# KiCad board reform2-keyboard3.kicad_pcb (continued)
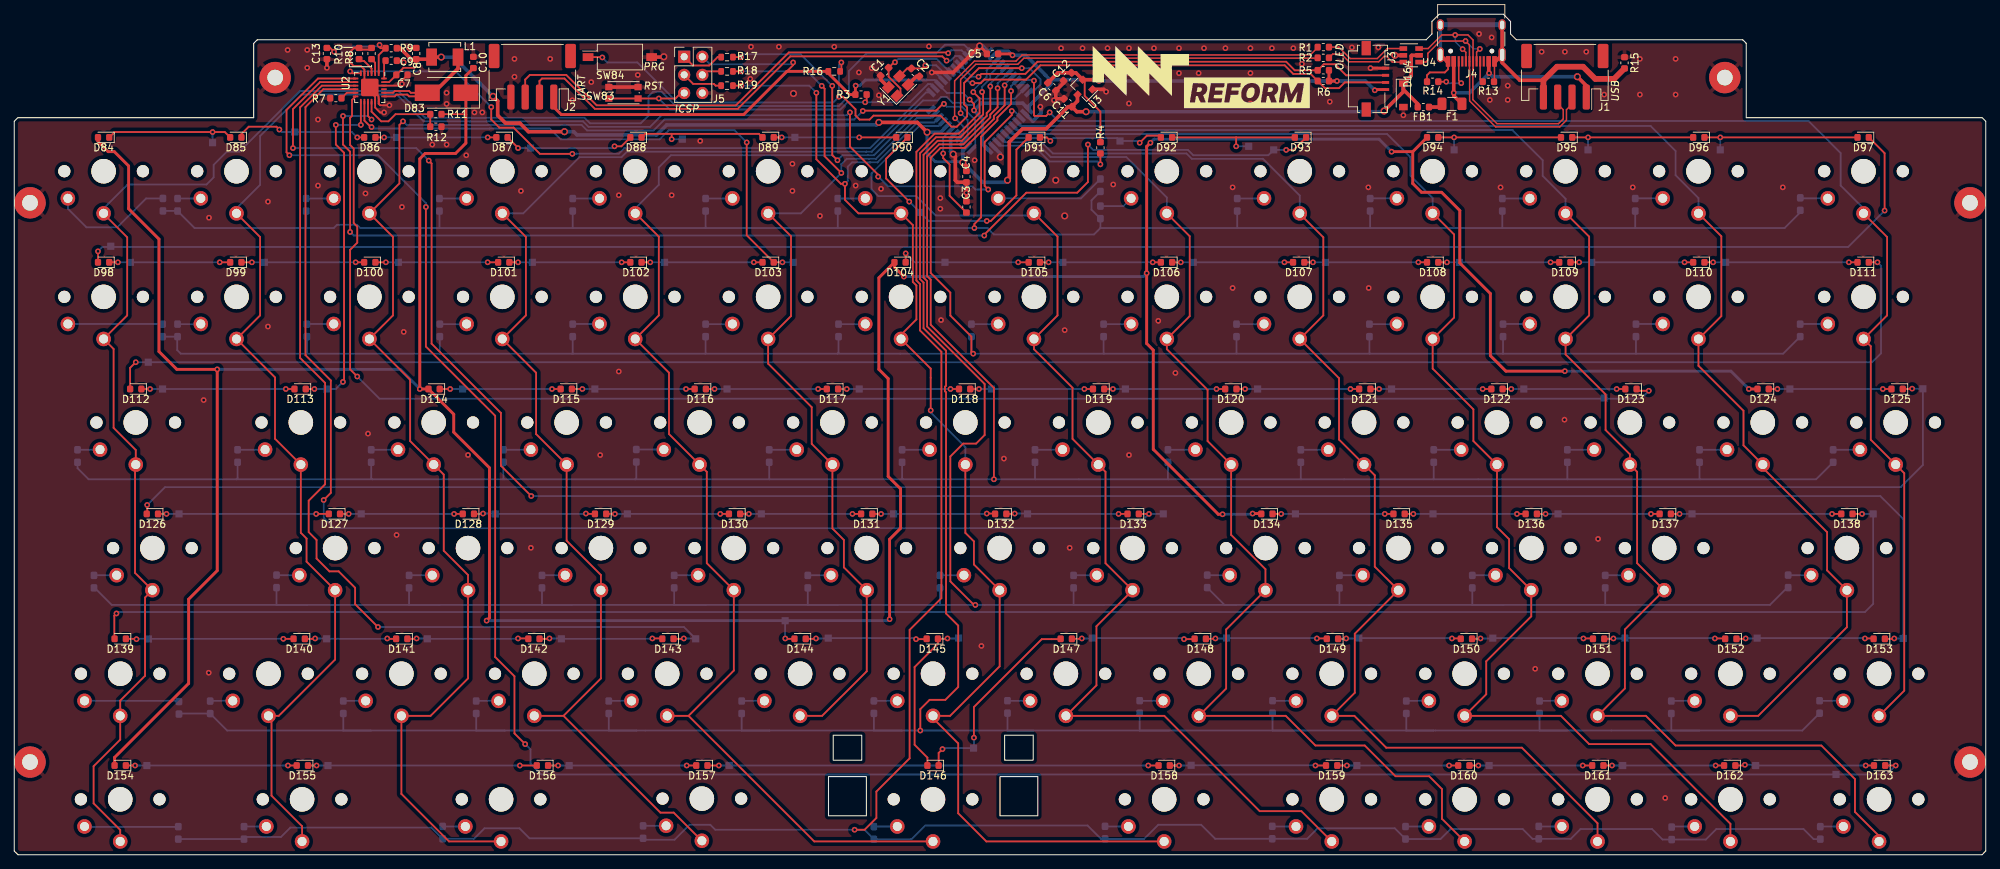
[diagram p0: board, top side]
## Routing (per net, layer and track width the routed paths; a pad name or vN(x,y) marks a point on that pad's centre or on a via; arc(x,y) is an arc through that point) (continued)
DISP_SDA: length 62.7
  Top w0.25: v1(134.95,109) 135.35,109.4 141.5,109.4 143.2,111.1 178,111.1 179.2,109.9 R5.2 183.26,110.75 184.84,110.75 186.39,109.2 J3.2
  Bottom w0.25: U1.19 134.01,109 v1(134.95,109)
HD+: length 38
  Top w0.2: v1(202.69,112.87) 203.15,112.41 J4.B6 ; U4.6 197.86,112.95 199.76,114.85 v1(201.65,114.85) 203.45,114.85 204.15,114.15 J4.A6 204.15,110.07 204.12,110.04 204.12,105.79 207.49,102.42 216.11,102.42 216.78,103.09 216.78,104.38 216,105.15
  Bottom w0.2: v1(201.65,114.85) 201.65,113.91 v1(202.69,112.87)
HD-: length 39.3
  Top w0.2: 218,105.15 217.22,104.38 217.22,102.91 216.29,101.97 207.31,101.97 203.68,105.61 203.68,110.04 203.65,110.07 J4.A7 203.65,113.45 v1(203.1,114) 199.55,114 197.82,112.28 197.82,111.33 197.55,111.05 U4.4 ; v1(205.1,112.9) 204.65,112.45 J4.B7
  Bottom w0.2: v1(205.1,112.9) 204.2,112.9 v1(203.1,114)
PROG: length 85.4
  Top w0.25: R16.2 115.75,109.92 v1(115.75,111) ; v1(82.3,111.7) 82.25,111.75 SW84.1 ; v1(115.4,106.2) 115.97,106.2 117.73,104.44 117.73,103.57 118.3,103 119.7,103 120.25,103.55 129.6,103.55 131.15,102 131.9,102 133.35,103.45 133.35,104.7 132.92,105.13 132.92,108.12 135,110.2 v1(141,110.2)
  Bottom w0.25: v1(141,110.2) 142.07,110.2 143.62,108.65 143.62,107.92 142.5,106.8 U1.33 ; v1(115.75,111) 115.4,110.65 v1(115.4,106.2) 114.6,105.4 92.8,105.4 87.2,111 83,111 v1(82.3,111.7)
PWM: length 92.3
  Top w0.25: v1(66.75,104.75) 66.75,103 67.88,101.87 69.88,101.87 73.55,98.2 v1(78.1,98.2) ; U2.6 47.26,109.49 v1(47,109.75)
  Bottom w0.25: v1(78.1,98.2) 78.67,98.2 78.69,98.22 84.62,98.22 85.4,99 119.79,99 120.34,99.55 127.59,106.8 U1.12 ; v1(47,109.75) 61.75,109.75 v1(66.75,104.75)
RESET: length 53.2
  Top w0.25: R3.2 119.29,105.64 v1(119.07,105.43) ; SW83.1 SW83.1 90.2,105.95 v1(90.2,105.95) 92.53,105.95 93.75,107.17
  Bottom w0.25: v1(90.2,105.95) 91.75,104.4 115.61,104.4 116.63,105.43 v1(119.07,105.43) 125.32,105.43 127.87,107.97 128.26,107.97 U1.13
ROW1: length 283.4
  Top w0.25: v1(134.36,87.8) 134.36,88.36 135.3,89.3 135.3,100.59 137.59,102.88 137.59,103.29 139.5,105.2 v1(139.5,107)
  Bottom w0.25: 40.8,87.8 44.72,87.8 45.16,88.25 48,88.25 48.45,87.8 59.5,87.8 ; 40.8,87.8 25.23,87.8 D7.1 22.84,90.2 D1.1 ; 40.8,87.8 40.85,87.85 D13.1 ; 115.2,87.8 115.25,87.85 D37.1 ; 115.2,87.8 96.8,87.8 ; 115.2,87.8 136.2,87.8 137.1,86.9 151.1,86.9 152,87.8 ; 78.2,87.8 96.8,87.8 ; 78.2,87.8 59.5,87.8 ; 78.2,87.8 78.15,87.85 D25.1 ; 96.8,87.8 96.75,87.85 D31.1 ; 226.8,87.8 226.85,87.85 D73.1 ; 226.8,87.8 247.75,87.8 249.95,90 D78.1 ; 226.8,87.8 208.2,87.8 ; 189.8,87.8 208.2,87.8 ; 189.8,87.8 171.2,87.8 ; 189.8,87.8 189.75,87.85 D61.1 ; 208.2,87.8 208.25,87.85 D67.1 ; U1.30 139.5,107.69 v1(139.5,107) ; 59.5,87.8 D19.1 ; D55.1 171.15,87.85 171.2,87.8 ; 152,87.8 171.2,87.8 ; 152,87.8 D49.1 150.75,90.38 150.75,91.67 D43.1
ROW2: length 306.8
  Top w0.25: v1(138.6,107.8) 138.6,105.01 137.09,103.5 137.09,103.09 133.02,99.03 129.63,99.03 128.25,97.65 128.25,81.5 131,78.75 131,75.53 D44.1 133.95,70.45 v1(134.2,70.2)
  Bottom w0.25: D74.1 226.95,70.2 ; 226.95,70.2 247.55,70.2 D79.1 ; 226.95,70.2 208.3,70.2 ; D50.1 152.45,70.25 152.5,70.2 ; 208.3,70.2 189.7,70.2 ; 208.3,70.2 208.35,70.25 D68.1 ; D20.1 59.55,70.2 ; 59.55,70.2 78.2,70.2 ; 59.55,70.2 40.9,70.2 ; v1(134.2,70.2) 152.5,70.2 ; v1(134.2,70.2) 133.95,70.45 D44.1 ; v1(134.2,70.2) 134,70.2 115.2,70.2 ; 152.5,70.2 189.7,70.2 ; D14.1 40.95,70.25 40.9,70.2 ; U1.29 138.6,107.92 v1(138.6,107.8) ; 189.7,70.2 189.65,70.25 D62.1 ; 115.2,70.2 115.35,70.35 D38.1 ; 115.2,70.2 96.7,70.2 ; 78.2,70.2 78.15,70.25 D26.1 ; 78.2,70.2 96.7,70.2 ; 40.9,70.2 23.3,70.2 22.8,70.7 22.8,72.53 D8.1 D2.1 ; 96.7,70.2 96.75,70.25 D32.1 ; D56.1 171.05,70.3
ROW3: length 344.9
  Top w0.25: v1(137.1,52.6) 137.1,65.4 128.25,74.25 128.25,80.58 127.75,81.08 127.75,97.85 129.42,99.53 132.82,99.53 136.59,103.29 136.59,103.7 137.61,104.73 v1(137.61,107.39)
  Bottom w0.25: 235.9,52.6 235.85,52.65 D75.1 ; 235.9,52.6 217.4,52.6 ; 235.9,52.6 252.17,52.6 D80.1 ; 161.5,52.6 161.45,52.65 D51.1 ; 161.5,52.6 180.1,52.6 ; 161.5,52.6 142.9,52.6 ; 105.7,52.6 105.65,52.65 D33.1 ; 105.7,52.6 86.9,52.6 ; 105.7,52.6 124.4,52.6 ; 180.1,52.6 180.05,52.65 D57.1 ; 180.1,52.6 198.6,52.6 ; 142.9,52.6 142.85,52.65 D45.1 ; 142.9,52.6 v1(137.1,52.6) 124.4,52.6 ; 68.4,52.6 86.9,52.6 ; 68.4,52.6 68.45,52.65 D21.1 ; 68.4,52.6 50.1,52.6 ; v1(137.61,107.39) 137.61,108.06 U1.28 ; 50.1,52.6 31.1,52.6 ; 50.1,52.6 49.95,52.75 D15.1 ; 31.1,52.6 10.4,52.6 8.85,54.15 D3.1 ; 31.1,52.6 31.25,52.75 D9.1 ; D69.1 217.35,52.65 217.4,52.6 ; D63.1 198.65,52.65 198.6,52.6 ; 198.6,52.6 217.4,52.6 ; 86.9,52.6 87.05,52.75 D27.1 ; 124.4,52.6 124.25,52.75 D39.1
ROW4: length 396.6
  Top w0.25: v1(136.59,107.64) 136.59,104.42 136.09,103.91 136.09,103.5 132.61,100.03 129.21,100.03 127.25,98.06 127.25,80.87 127.75,80.37 127.75,74 135.8,65.95 135.8,58.8 134.6,57.6 132.8,57.6 131,55.8 131,38.3 134.3,35 v1(134.5,35)
  Bottom w0.25: D58.1 185.45,35 189.75,35 ; 41,35 13.64,35 11.25,37.39 D4.1 ; 41,35 59.5,35 ; 41,35 36.7,35 D10.1 ; 171,35 169.38,35 D52.1 ; 171,35 189.75,35 ; 171,35 152.5,35 ; 189.75,35 208.4,35 ; D28.1 92.35,35 96.75,35 ; 208.4,35 226.9,35 ; 208.4,35 204.05,35 D64.1 ; 129.5,35 v1(134.5,35) 152.5,35 ; 129.5,35 129.55,35.05 D40.1 ; 129.5,35 115.25,35 ; 96.75,35 78,35 ; 96.75,35 115.25,35 ; 226.9,35 222.65,35 D70.1 ; 226.9,35 245.7,35 248.12,37.42 D76.1 ; 78,35 59.5,35 ; 78,35 73.85,35 D22.1 ; 59.5,35 55.25,35 D16.1 ; 115.25,35 111.05,35 D34.1 ; D46.1 148.25,35 152.5,35 ; v1(136.59,107.64) 136.59,108.03 138.61,110.05 U1.27
ROW5: length 406.8
  Top w0.25: v1(126.8,17.4) 126.8,20.4 128.1,21.7 130.3,21.7 132.1,23.5 132.1,32.1 130.4,33.8 130.4,64.78 130.25,64.93 130.25,65.57 130.4,65.72 130.4,70.62 127.25,73.77 127.25,80.16 126.75,80.66 126.75,98.27 129.01,100.53 132.4,100.53 135.59,103.71 135.59,106.72 v1(135.44,106.87)
  Bottom w0.25: 161.6,17.4 180.1,17.4 ; 161.6,17.4 157.5,17.4 D53.1 ; 161.6,17.4 142.6,17.4 ; 180.1,17.4 198.6,17.4 ; 180.1,17.4 176.1,17.4 D59.1 ; 87.1,17.4 83.2,17.4 D29.1 ; 87.1,17.4 105.7,17.4 ; 87.1,17.4 68.65,17.4 ; 198.6,17.4 217.3,17.4 ; 198.6,17.4 194.81,17.4 D65.1 ; 124.2,17.4 v1(126.8,17.4) 142.6,17.4 ; 124.2,17.4 105.7,17.4 ; 124.2,17.4 120.3,17.4 D41.1 ; 49.9,17.4 29.79,17.4 D11.1 23.11,19.78 D5.1 ; 49.9,17.4 68.65,17.4 ; 49.9,17.4 46.05,17.4 D17.1 ; D35.1 101.8,17.4 105.7,17.4 ; 68.65,17.4 64.65,17.4 D23.1 ; D71.1 213.46,17.4 217.3,17.4 ; D47.1 139,17.4 139,17.4 142.6,17.4 ; 235.8,17.4 231.9,17.4 D77.1 ; 235.8,17.4 250.22,17.4 D82.1 ; 235.8,17.4 217.3,17.4 ; U1.26 136.58,109.29 136.58,108.72 135.44,107.59 v1(135.44,106.87)
ROW6: length 364.6
  Top w0.25: v1(134.21,106.85) 135.09,105.98 135.09,103.92 132.2,101.03 128.8,101.03 126.25,98.48 126.25,80.46 126.75,79.96 126.75,73.46 129.75,70.46 129.75,35.95 125.3,31.5 125.3,13.5 120.65,8.85 120.65,5.15 119,3.5 v1(117.6,3.5)
  Bottom w0.25: D6.1 22.96,2.2 32.13,2.2 D12.1 32.45,2.49 37.31,2.49 38.63,3.8 58.38,3.8 D18.1 64.33,2.22 65.8,3.7 70.7,3.7 72.1,2.3 D24.1 88.2,2.1 92.4,2.1 94.5,4.2 97.4,4.2 98.1,3.5 v1(117.6,3.5) 118.98,3.5 D30.1 125.59,2.19 127.5,4.1 150.2,4.1 152.06,2.24 D42.1 152.69,2.2 158.1,2.2 160.1,4.2 166.1,4.2 168.06,2.24 D48.1 180.94,2.24 182.4,3.7 193.2,3.7 D54.1 199.6,2.2 201,3.6 211.1,3.6 212.47,2.22 D60.1 217.82,2.22 219.2,3.6 229.2,3.6 230.68,2.12 D66.1 236.72,2.12 238.2,3.6 250.4,3.6 251.81,2.19 D72.1 ; U1.25 136.08,109.92 136.08,108.98 134.21,107.12 v1(134.21,106.85)
UART_RX: length 67.3
  Top w0.25: v1(130.47,111.26) 129.88,111.86 108.61,111.86 101.25,104.5 81.25,104.5 77,108.75 73.85,108.75 73.5,108.4 J2.2
  Bottom w0.25: v1(130.47,111.26) 131.04,111.26 131.68,111.9 132.24,111.9 U1.20
UART_TX: length 70
  Top w0.25: v1(130.7,112.3) 130.6,112.4 108.4,112.4 101,105 81.5,105 77.25,109.25 72.15,109.25 71.5,108.6 J2.3
  Bottom w0.25: v1(130.7,112.3) 131.1,112.7 132.58,112.7 U1.21
Net-(C1-Pad1): length 14.9
  Top w0.25: Y1.1 124.02,106.82 124.02,107.35 122.36,109.01 C1.1 123.12,111.03 v1(123.25,111.03)
  Bottom w0.25: U1.17 130.95,109.63 129.08,111.5 123.72,111.5 v1(123.25,111.03)
Net-(C2-Pad1): length 7.9
  Top w0.25: v1(127.5,110.6) 127.06,110.16 C2.1 124.95,110.16 Y1.3
  Bottom w0.25: U1.16 129.02,110.6 v1(127.5,110.6)
Net-(C3-Pad1): length 13.4
  Top w0.25: v1(130,98.25) 130,97.6 130.9,96.7 130.9,92.31 C3.1
  Bottom w0.25: U1.6 130,100.45 v1(130,98.25)
Net-(C9-Pad1): length 2.6
  Top w0.25: C9.1 51.75,111.04 51.75,108.76 U2.24
Net-(C10-Pad1): length 552.3
  Top w0.25: D144.2 107.95,30.25 v1(107.9,30.3) ; 63.2,103.7 63.15,103.75 R11.1
  Top w0.4: 195.71,98.5 D94.2 ; 195.71,98.5 v1(192.75,98.5) ; 195.71,98.5 195.71,94.04 196.94,92.81 199.75,92.81 202.3,90.26 202.3,82.9 206.58,78.62 206.58,69.92 208.75,67.75 v1(217,67.75) ; v1(169.1,47.7) 168.5,47.7 159.4,56.8 159.4,70.7 158.47,71.63 v1(158.47,81.47) 158.47,99.23 v1(159,99.75) ; C10.1 63.2,109.16 D83.1 63.2,99.7 61.75,98.25 57.5,98.25 56.75,97.5 v1(56.75,65.25) D114.2 61.5,61.71 61.5,59.2 66.5,54.2 66.5,33.2 v1(66.1,32.8) ; D134.2 174.46,47.8 v1(173.3,47.8) ; D154.2 14.04,13.64 24.4,24 24.4,35.8 28.4,39.8 v1(28.4,68) 22.75,68 20.25,70.5 20.25,86.25 16,90.5 16,96.5 14,98.5 13.14,98.5 11.71,99.92 D84.2 ; v1(122.5,33) 122.5,44.2 124.04,45.74 124.04,51.26 122.3,53 122.3,66.7 121,68 121,80.83 D104.2 123.18,82.33 v1(124.5,81) ; v1(242.75,65.25) D124.2
  Bottom w0.25: v1(107.9,30.3) 107.88,30.32 TP1.1
  Bottom w0.4: v1(28.4,68) 54,68 v1(56.75,65.25) ; v1(169.1,47.7) 173.2,47.7 v1(173.3,47.8) ; v1(217,67.75) 240.25,67.75 v1(242.75,65.25) ; v1(124.5,81) 158,81 v1(158.47,81.47) ; v1(192.75,98.5) 191,100.25 159.5,100.25 v1(159,99.75) ; v1(122.5,33) 122.3,32.8 107.9,32.8 TP1.1 107.86,32.8 v1(66.1,32.8)
Net-(C13-Pad1): length 12.8
  Top w0.25: C13.1 44.21,113.04 v1(44.75,112.5) ; U2.1 51,112.04 R9.2 51.25,113 51,113.25
  Bottom w0.25: 51,113.25 45.5,113.25 v1(44.75,112.5)
  vias: v1(51.12,113.45)
Net-(D1-Pad2): length 17.5
  Bottom w0.25: SW1.2 7.5,90.5 10.1,87.9 14.4,87.9 18.45,91.95 D1.2
Net-(D2-Pad2): length 13.3
  Bottom w0.25: SW2.2 20.73,74.36 D2.2
Net-(D3-Pad2): length 3.2
  Bottom w0.25: SW3.2 11.98,56.73 D3.2
Net-(D4-Pad2): length 3.2
  Bottom w0.25: D4.2 11.18,39.16 SW4.2
Net-(D5-Pad2): length 13.3
  Bottom w0.25: SW5.2 22.94,21.56 D5.2
Net-(D6-Pad2): length 13.2
  Bottom w0.25: D6.2 22.91,3.9 9.88,3.9 SW6.2
Net-(D7-Pad2): length 3.3
  Bottom w0.25: SW7.2 26.07,91.94 D7.2
Net-(D8-Pad2): length 3.3
  Bottom w0.25: D8.2 26.07,74.34 SW8.2
Net-(D9-Pad2): length 3.9
  Bottom w0.25: D9.2 35.08,56.73 SW9.2
Net-(D10-Pad2): length 3.2
  Bottom w0.25: SW10.2 36.72,39.16 D10.2
Net-(D11-Pad2): length 3.2
  Bottom w0.25: SW11.2 27.45,21.56 D11.2
Net-(D12-Pad2): length 3.1
  Bottom w0.25: SW12.2 32.17,3.96 D12.2
Net-(D13-Pad2): length 3.9
  Bottom w0.25: D13.2 44.67,91.94 SW13.2
Net-(D14-Pad2): length 3.8
  Bottom w0.25: SW14.2 40.98,74.36 D14.2
Net-(D15-Pad2): length 3.8
  Bottom w0.25: D15.2 53.67,56.73 SW15.2
Net-(D16-Pad2): length 3.3
  Bottom w0.25: D16.2 55.27,39.16 SW16.2
Net-(D17-Pad2): length 3.1
  Bottom w0.25: D17.2 46.07,21.56 SW17.2
Net-(D18-Pad2): length 3.2
  Bottom w0.25: SW18.2 59.97,3.96 D18.2
Net-(D19-Pad2): length 3.8
  Bottom w0.25: SW19.2 63.28,91.94 D19.2
Net-(D20-Pad2): length 3.8
  Bottom w0.25: D20.2 63.28,74.34 SW20.2
Net-(D21-Pad2): length 3.9
  Bottom w0.25: D21.2 72.28,56.73 SW21.2
Net-(D22-Pad2): length 3.3
  Bottom w0.25: D22.2 73.88,39.16 SW22.2
Net-(D23-Pad2): length 3.1
  Bottom w0.25: D23.2 64.67,21.56 SW23.2
Net-(D24-Pad2): length 3.2
  Bottom w0.25: D24.2 88.01,4.06 SW24.2
Net-(D25-Pad2): length 3.8
  Bottom w0.25: SW25.2 81.88,91.94 D25.2
Net-(D26-Pad2): length 3.8
  Bottom w0.25: SW26.2 78.17,74.36 D26.2
Net-(D27-Pad2): length 3.9
  Bottom w0.25: D27.2 90.89,56.78 SW27.2
Net-(D28-Pad2): length 3.4
  Bottom w0.25: D28.2 92.38,39.16 SW28.2
Net-(D29-Pad2): length 3.2
  Bottom w0.25: D29.2 83.22,21.56 SW29.2
Net-(D30-Pad2): length 3.3
  Bottom w0.25: D30.2 120.33,3.96 SW30.2
Net-(D31-Pad2): length 3.7
  Bottom w0.25: D31.2 100.47,91.94
Net-(D32-Pad2): length 3.8
  Bottom w0.25: D32.2 100.47,74.34 SW32.2
Net-(D33-Pad2): length 3.9
  Bottom w0.25: D33.2 109.47,56.73 SW33.2
Net-(D34-Pad2): length 3.3
  Bottom w0.25: D34.2 111.08,39.16 SW34.2
Net-(D35-Pad2): length 3.2
  Bottom w0.25: SW35.2 101.82,21.56 D35.2
Net-(D37-Pad2): length 3.9
  Bottom w0.25: D37.2 119.08,91.94 SW37.2
Net-(D38-Pad2): length 3.8
  Bottom w0.25: D38.2 119.08,74.34 SW38.2
Net-(D39-Pad2): length 3.9
  Bottom w0.25: SW39.2 128.07,56.73 D39.2
Net-(D40-Pad2): length 3.4
  Bottom w0.25: SW40.2 129.57,39.16 D40.2
Net-(D41-Pad2): length 3.3
  Bottom w0.25: SW41.2 120.31,21.56 D41.2
Net-(D42-Pad2): length 3.3
  Bottom w0.25: D42.2 152.68,3.96 SW42.2
Net-(D43-Pad2): length 15.4
  Bottom w0.25: SW43.2 149.28,91.96 D43.2
Net-(D44-Pad2): length 3.8
  Bottom w0.25: D44.2 137.68,74.34 SW44.2
Net-(D45-Pad2): length 3.9
  Bottom w0.25: SW45.2 146.68,56.73 D45.2
Net-(D46-Pad2): length 3.3
  Bottom w0.25: SW46.2 148.28,39.16 D46.2
Net-(D47-Pad2): length 3.2
  Bottom w0.25: SW47.2 139.02,21.56 D47.2
Net-(D48-Pad2): length 3.3
  Bottom w0.25: SW48.2 176.07,3.96 D48.2
Net-(D49-Pad2): length 4.7
  Bottom w0.25: D49.2 155.22,90.88 SW49.2
Net-(D50-Pad2): length 3.9
  Bottom w0.25: SW50.2 156.28,74.34 D50.2
Net-(D51-Pad2): length 3.9
  Bottom w0.25: D51.2 165.28,56.73 SW51.2
Net-(D52-Pad2): length 3.2
  Bottom w0.25: SW52.2 166.97,39.16 D52.2
Net-(D53-Pad2): length 3.3
  Bottom w0.25: SW53.2 157.52,21.56 D53.2
Net-(D54-Pad2): length 3.3
  Bottom w0.25: SW54.2 194.71,3.96 D54.2
Net-(D55-Pad2): length 3.8
  Bottom w0.25: D55.2 174.88,91.94 SW55.2
Net-(D56-Pad2): length 3.9
  Bottom w0.25: SW56.2 174.88,74.34 D56.2
Net-(D57-Pad2): length 3.9
  Bottom w0.25: SW57.2 183.88,56.73 D57.2
Net-(D58-Pad2): length 3.3
  Bottom w0.25: SW58.2 185.47,39.16 D58.2
Net-(D59-Pad2): length 3.3
  Bottom w0.25: D59.2 176.12,21.56 SW59.2
Net-(D60-Pad2): length 3.2
  Bottom w0.25: D60.2 213.37,3.96 SW60.2
Net-(D61-Pad2): length 3.8
  Bottom w0.25: SW61.2 189.78,91.96 D61.2
Net-(D62-Pad2): length 3.9
  Bottom w0.25: SW62.2 193.47,74.34 D62.2
Net-(D63-Pad2): length 3.9
  Bottom w0.25: SW63.2 202.47,56.73 D63.2
Net-(D64-Pad2): length 3.3
  Bottom w0.25: SW64.2 204.07,39.16 D64.2
Net-(D65-Pad2): length 3.2
  Bottom w0.25: SW65.2 194.84,21.56 D65.2
Net-(D66-Pad2): length 3.3
  Bottom w0.25: D66.2 232.03,3.96 SW66.2
Net-(D67-Pad2): length 3.9
  Bottom w0.25: SW67.2 212.07,91.94 D67.2
Net-(D68-Pad2): length 3.8
  Bottom w0.25: D68.2 208.38,74.36 SW68.2
Net-(D69-Pad2): length 3.8
  Bottom w0.25: D69.2 221.07,56.73 SW69.2
Net-(D70-Pad2): length 3.3
  Bottom w0.25: SW70.2 222.68,39.16 D70.2
Net-(D71-Pad2): length 3.1
  Bottom w0.25: SW71.2 213.49,21.56 D71.2
Net-(D72-Pad2): length 3.2
  Bottom w0.25: D72.2 252.77,3.96 SW72.2
Net-(D73-Pad2): length 3.9
  Bottom w0.25: SW73.2 226.88,91.96 D73.2
Net-(D74-Pad2): length 3.8
  Bottom w0.25: D74.2 226.97,74.36 SW74.2
Net-(D75-Pad2): length 3.9
  Bottom w0.25: SW75.2 239.68,56.73 D75.2
Net-(D76-Pad2): length 3.2
  Bottom w0.25: D76.2 248.26,39.16 SW76.2
Net-(D77-Pad2): length 3.3
  Bottom w0.25: D77.2 231.93,21.56 SW77.2
Net-(D78-Pad2): length 3.9
  Bottom w0.25: SW78.2 250.03,91.96 D78.2
Net-(D79-Pad2): length 3.9
  Bottom w0.25: SW79.2 249.96,74.36 D79.2
Net-(D80-Pad2): length 3.8
  Bottom w0.25: D80.2 258.27,56.73 SW80.2
Net-(D82-Pad2): length 3.3
  Bottom w0.25: SW82.2 252.67,21.56 D82.2
Net-(D83-Pad2): length 20.5
  Top w0.25: U2.20 53,106.75 53.25,107 55.25,107 55.5,106.75 57.55,106.75 58.05,107.25 57.05,106.25 55.25,106.25 55,106.5 53.5,106.5 53.25,106.25 U2.19
  Top w0.5: 58.05,107.25 59.2,107.25 62.1,110.15 L1.2
Net-(D84-Pad1): length 19
  Top w0.25: D84.1 14.04,101.25 v1(27.75,101.25) 29.46,101.25 D85.2
  Bottom w0.25: TP9.1 v1(27.75,101.25)
Net-(D85-Pad1): length 18.7
  Top w0.25: D85.1 31.79,100.97 32.81,102 36.7,102 v1(37.1,101.6) ; v1(48,100.5) D86.2
  Bottom w0.25: v1(37.1,101.6) 37.45,101.25 47.25,101.25 v1(48,100.5)
Net-(D86-Pad1): length 16.9
  Top w0.25: v1(66.25,100.5) D87.2 ; D86.1 v1(51.75,100.5)
  Bottom w0.25: v1(51.75,100.5) v1(66.25,100.5)
Net-(D87-Pad1): length 18.4
  Top w0.25: D88.2 84.96,99.25 v1(84,99.25) ; v1(70.5,99) 70.5,99.04 D87.1
  Bottom w0.25: v1(84,99.25) 83.75,99 v1(70.5,99)
Net-(D88-Pad1): length 19.6
  Top w0.25: D88.1 88.29,101 92,101 ; 92,101 v1(92,100.25) ; 92,101 104.21,101 D89.2
  Bottom w0.25: v1(92,100.25) TP41.1
Net-(D89-Pad1): length 17.1
  Top w0.25: v1(107.4,100.5) D89.1 ; D90.2 v1(118.25,100.5)
  Bottom w0.25: v1(118.25,100.5) 107.97,100.5 v1(107.4,100.5)
Net-(D90-Pad1): length 38
  Top w0.25: D91.2 140.25,98.79 140.25,92.38 136.67,88.79 v1(136.1,88.79) ; v1(125.25,91.5) 122.01,94.74 122.01,97.51 D90.1
  Bottom w0.25: v1(125.25,91.5) 127.96,88.79 v1(136.1,88.79)
Net-(D91-Pad1): length 18.1
  Top w0.25: D92.2 160.21,100.75 158.5,100.75 v1(157.5,99.75) ; D91.1 144.5,100.5 v1(145,100)
  Bottom w0.25: v1(157.5,99.75) 157.25,100 TP65.1 154.35,100.4 145.4,100.4 v1(145,100)
Net-(D92-Pad1): length 20.2
  Top w0.25: 171,100.5 D93.2 ; 171,100.5 v1(171,99.25) ; 171,100.5 D92.1
  Bottom w0.25: TP73.1 v1(171,99.25)
Net-(D93-Pad1): length 167.7
  Top w0.25: v1(47,87.25) 47,98.5 46,99.5 v1(46,103.5) ; v1(50,103) 49.5,103.5 U2.15 ; v1(135.75,86.75) 135.75,86.87 141.63,92.75 148.75,92.75 150.25,94.25 v1(150.25,99.5) ; v1(178,98.75) 179.04,98.75 D93.1
  Bottom w0.25: v1(150.25,99.5) 151,98.75 164.25,98.75 165,98 175.5,98 TP81.1 v1(178,98.75) ; v1(135.75,86.75) 47.5,86.75 v1(47,87.25) ; v1(50,103) 49.5,103.5 v1(46,103.5)
Net-(D94-Pad1): length 18.9
  Top w0.25: D94.1 v1(201.5,100.5) D95.2
  Bottom w0.25: TP10.1 v1(201.5,100.5)
Net-(D95-Pad1): length 18.9
  Top w0.25: D96.2 v1(220.25,100.5) D95.1
  Bottom w0.25: 220.25,98.5 v1(220.25,100.5)
Net-(D96-Pad1): length 23.4
  Top w0.25: D96.1 v1(238.75,100.5) D97.2
  Bottom w0.25: 238.75,98.5 v1(238.75,100.5)
Net-(D97-Pad1): length 265.1
  Top w0.25: v1(261.75,90.25) 261.75,98.29 D97.1 ; D98.2 v1(11.71,84.54)
  Bottom w0.25: v1(261.75,90.25) 256.65,85.15 12.32,85.15 v1(11.71,84.54)
Net-(D98-Pad1): length 16.9
  Top w0.25: v1(28.75,83) D99.2 ; D98.1 v1(14.5,83)
  Bottom w0.25: v1(14.5,83) v1(28.75,83)
Net-(D100-Pad1): length 17.2
  Top w0.25: v1(66.25,83) D101.2 ; D100.1 v1(52,83)
  Bottom w0.25: v1(52,83) v1(66.25,83)
Net-(D100-Pad2): length 17.2
  Top w0.25: D99.1 v1(33.25,83) ; D100.2 v1(47.78,83)
  Bottom w0.25: v1(33.25,83) v1(47.78,83)
Net-(D101-Pad1): length 16.9
  Top w0.25: v1(85,83) D102.2 ; D101.1 v1(70.5,83)
  Bottom w0.25: v1(85,83) v1(70.5,83)
Net-(D102-Pad1): length 16.9
  Top w0.25: v1(103.5,83) D103.2 ; D102.1 v1(89,83)
  Bottom w0.25: v1(89,83) v1(103.5,83)
Net-(D103-Pad1): length 79.6
  Top w0.25: U2.14 49,102.85 49.9,101.95 v1(50,101.95) ; v1(102.5,99.8) 102.5,86.79 D103.1 v1(107.5,83)
  Bottom w0.25: TP82.1 v1(107.5,83) ; v1(102.5,99.8) 100.8,101.5 91.59,101.5 90.32,100.22 76.48,100.22 74.95,101.75 66.52,101.75 66.49,101.72 63.41,101.72 63.38,101.75 50.2,101.75 v1(50,101.95)
Net-(D104-Pad1): length 18.7
  Top w0.25: D104.1 v1(124.75,84.25) ; v1(140.5,83) 141.71,83
  Bottom w0.25: v1(124.75,84.25) 126,83 v1(140.5,83)
Net-(D105-Pad1): length 16.9
  Top w0.25: D106.2 v1(159.33,83) ; D105.1 v1(144.75,83)
  Bottom w0.25: v1(144.75,83) v1(159.33,83)
Net-(D106-Pad1): length 16.9
  Top w0.25: v1(177.75,83) D107.2 ; D106.1 v1(163.25,83)
  Bottom w0.25: v1(163.25,83) v1(177.75,83)
Net-(D107-Pad1): length 17.2
  Top w0.25: D107.1 v1(181.75,83) ; D108.2 v1(196.5,83)
  Bottom w0.25: v1(181.75,83) v1(196.5,83)
Net-(D108-Pad1): length 16.9
  Top w0.25: D108.1 v1(200.5,83) ; v1(215,83) D109.2
  Bottom w0.25: v1(200.5,83) v1(215,83)
Net-(D109-Pad1): length 17.2
  Top w0.25: D109.1 v1(219,83) ; v1(233.75,83) D110.2
  Bottom w0.25: v1(219,83) v1(233.75,83)
Net-(D110-Pad1): length 21.4
  Top w0.25: D110.1 v1(237.75,83) ; v1(256.75,83) D111.2
  Bottom w0.25: v1(237.75,83) v1(256.75,83)
Net-(D111-Pad1): length 263
  Top w0.25: D112.2 16.21,68.21 v1(17,69) ; v1(260.75,83) D111.1
  Bottom w0.25: v1(17,69) 260,69 261.25,70.25 261.25,82.5 v1(260.75,83)
Net-(D112-Pad1): length 21.4
  Top w0.25: v1(38,65.25) D113.2 ; D112.1 v1(19,65.25)
  Bottom w0.25: v1(19,65.25) v1(38,65.25)
Net-(D113-Pad1): length 48.9
  Top w0.25: U2.13 v1(48.5,102.25) ; v1(46,66.25) 46.15,66.4 46.15,98.35 45,99.5 v1(45,102.25) ; D113.1 v1(42,65.25)
  Bottom w0.25: v1(48.5,102.25) v1(45,102.25) ; v1(46,66.25) 45,65.25 v1(42,65.25)
Net-(D114-Pad1): length 16.9
  Top w0.25: D114.1 v1(61,65.25) ; v1(75.25,65.25) D115.2
  Bottom w0.25: v1(61,65.25) v1(75.25,65.25)
Net-(D115-Pad1): length 17.2
  Top w0.25: v1(94,65.25) D116.2 ; D115.1 v1(79.5,65.25)
  Bottom w0.25: v1(79.5,65.25) v1(94,65.25)
Net-(D116-Pad1): length 16.9
  Top w0.25: D116.1 v1(98,65.25) ; v1(112.5,65.25) D117.2
  Bottom w0.25: v1(98,65.25) v1(112.5,65.25)
Net-(D117-Pad1): length 16.9
  Top w0.25: v1(131.03,65.25) D118.2 ; D117.1 v1(116.5,65.25)
  Bottom w0.25: v1(116.5,65.25) v1(131.03,65.25)
Net-(D118-Pad1): length 17.2
  Top w0.25: D118.1 v1(135,65.25) ; v1(149.75,65.25) D119.2
  Bottom w0.25: v1(135,65.25) v1(149.75,65.25)
Net-(D119-Pad1): length 16.9
  Top w0.25: v1(168.25,65.25) D120.2 ; D119.1 v1(153.75,65.25)
  Bottom w0.25: v1(153.75,65.25) v1(168.25,65.25)
Net-(D120-Pad1): length 17.2
  Top w0.25: v1(187,65.25) D121.2 ; D120.1 v1(172.25,65.25)
  Bottom w0.25: v1(172.25,65.25) v1(187,65.25)
Net-(D121-Pad1): length 16.9
  Top w0.25: v1(205.5,65.25) D122.2 ; D121.1 v1(191,65.25)
  Bottom w0.25: v1(191,65.25) v1(205.5,65.25)
Net-(D122-Pad1): length 17.2
  Top w0.25: v1(224.25,65.25) D123.2 ; D122.1 v1(209.5,65.25)
  Bottom w0.25: v1(209.5,65.25) v1(224.25,65.25)
Net-(D123-Pad1): length 225.1
  Top w0.25: v1(228.75,65) 227.29,65 D123.1 ; v1(48,67) 47,68 47,84.75 48,85.75 48,88 47.5,88.5 47.5,98.93 47,99.43 47,103.25 47.26,103.51 47.26,105.75 U2.12
  Bottom w0.25: v1(228.75,65) 227.64,63.89 51.11,63.89 v1(48,67)
Net-(D124-Pad1): length 17.2
  Top w0.25: v1(261.5,65.25) D125.2 ; D124.1 v1(246.75,65.25)
  Bottom w0.25: v1(246.75,65.25) v1(261.5,65.25)
Net-(D125-Pad1): length 265.6
  Top w0.25: D125.1 265.55,65.25 v1(265.6,65.3) ; D126.2 18.6,47.81 v1(18.6,49)
  Bottom w0.25: v1(18.6,49) 21.1,51.5 264,51.5 267.11,54.61 TP21.1 265.62,65.28 v1(265.6,65.3)
Net-(D126-Pad1): length 23.9
  Top w0.25: D127.2 v1(42.25,47.75) ; v1(21.3,47.75) D126.1
  Bottom w0.25: v1(42.25,47.75) TP29.1 v1(21.3,47.75)
Net-(D127-Pad1): length 17.2
  Top w0.25: D127.1 v1(46.8,47.75) ; D128.2 v1(61.55,47.75)
  Bottom w0.25: v1(46.8,47.75) TP37.1 v1(61.55,47.75)
Net-(D128-Pad1): length 17
  Top w0.25: D128.1 65.55,47.75 v1(65.6,47.8) ; v1(80,47.8) 80.05,47.75 D129.2
  Bottom w0.25: v1(65.6,47.8) 67.25,47.8 TP45.1 79.95,47.75 v1(80,47.8)
Net-(D129-Pad1): length 17.2
  Top w0.25: v1(98.8,47.75) D130.2 ; D129.1 v1(84.05,47.75)
  Bottom w0.25: v1(84.05,47.75) TP53.1 v1(98.8,47.75)
Net-(D130-Pad1): length 16.9
  Top w0.25: D130.1 v1(102.8,47.75) ; D131.2 v1(117.3,47.75)
  Bottom w0.25: v1(117.3,47.75) TP61.1 v1(102.8,47.75)
Net-(D131-Pad1): length 17.2
  Top w0.25: D132.2 137.21,47.8 v1(136.1,47.8) ; D131.1 v1(121.3,47.75)
  Bottom w0.25: v1(121.3,47.75) TP69.1 136.05,47.75 v1(136.1,47.8)
Net-(D132-Pad1): length 17
  Top w0.25: v1(154.55,47.75) D133.2 ; D132.1 139.95,47.75 v1(140,47.8)
  Bottom w0.25: v1(154.55,47.75) TP77.1 141.75,47.8 v1(140,47.8)
Net-(D133-Pad1): length 187.8
  Top w0.25: U2.10 43.25,107.25 40.75,104.75 40.75,70 44.3,66.45 44.3,50.7 v1(43.3,49.7) ; D133.1 v1(158.8,47.75)
  Bottom w0.25: TP85.1 v1(158.8,47.75) 156.8,45.75 44.75,45.75 43.3,47.2 v1(43.3,49.7)
Net-(D134-Pad1): length 16.9
  Top w0.25: D134.1 v1(177.3,47.75) ; v1(191.8,47.75) D135.2
  Bottom w0.25: v1(191.8,47.75) TP14.1 v1(177.3,47.75)
Net-(D135-Pad1): length 16.9
  Top w0.25: D135.1 v1(195.8,47.75) ; D136.2 v1(210.3,47.75)
  Bottom w0.25: v1(210.3,47.75) TP22.1 v1(195.8,47.75)
Net-(D136-Pad1): length 17.2
  Top w0.25: D136.1 v1(214.3,47.75) ; v1(229.05,47.75) D137.2
  Bottom w0.25: v1(229.05,47.75) TP30.1 v1(214.3,47.75)
Net-(D137-Pad1): length 23.8
  Top w0.25: v1(254.4,47.75) D138.2 ; D137.1 v1(233.05,47.75)
  Bottom w0.25: v1(254.4,47.75) TP38.1 v1(233.05,47.75)
Net-(D138-Pad1): length 265.6
  Top w0.25: D139.2 14,30.29 14,33.5 v1(14.3,33.8) ; D138.1 v1(258.6,47.75)
  Bottom w0.25: v1(14.3,33.8) 14.5,34 259,34 260.15,35.15 TP46.1 v1(258.6,47.75)
Net-(D139-Pad1): length 23.5
  Top w0.25: v1(17.1,30.2) 17.05,30.25 D139.1 ; v1(37.65,30.25) 39.21,30.25
  Bottom w0.25: v1(17.1,30.2) 17.15,30.25 18.75,30.25 ; v1(37.65,30.25) 18.92,30.25
Net-(D140-Pad1): length 12.9
  Top w0.25: v1(52.2,30.3) 52.25,30.25 D141.2 ; D140.1 42.05,30.25 v1(42.1,30.3)
  Bottom w0.25: v1(42.1,30.3) 43.66,30.3 TP62.1 52.15,30.25 v1(52.2,30.3)
Net-(D141-Pad1): length 17
  Top w0.25: D141.1 56.25,30.25 v1(56.3,30.3) ; D142.2 71.89,30.3 v1(70.5,30.3)
  Bottom w0.25: v1(56.3,30.3) 57.76,30.3 TP70.1 70.45,30.25 v1(70.5,30.3)
Net-(D142-Pad1): length 17.3
  Top w0.25: D142.1 74.85,30.25 v1(74.9,30.3) ; D143.2 90.64,30.3 v1(89.3,30.3)
  Bottom w0.25: v1(89.3,30.3) 89.25,30.25 TP78.1 76.51,30.3 v1(74.9,30.3)
Net-(D143-Pad1): length 137.3
  Top w0.25: v1(93.7,30.3) 93.65,30.25 D143.1 ; v1(50.9,31.9) 47.7,35.1 47.7,37.4 45.4,39.7 44.1,39.7 42.3,41.5 42.3,44.1 41.2,45.2 41.2,49.6 43.5,51.9 43.5,66.1 40,69.6 40,104.71 43.04,107.75 U2.9
  Bottom w0.25: v1(50.9,31.9) 93.71,31.9 TP86.1 95.31,30.3 v1(93.7,30.3)
Net-(D144-Pad1): length 17
  Top w0.25: v1(112.2,30.3) 112.15,30.25 D144.1 ; D145.2 127.64,30.2 v1(126.2,30.2)
  Bottom w0.25: v1(112.2,30.3) 113.86,30.3 TP15.1 126.05,30.35 v1(126.2,30.2)
Net-(D145-Pad1): length 22.8
  Top w0.25: v1(130.6,30.3) 130.55,30.25 D145.1 129.26,29.56 126,26.3 126,15.4 127.79,13.61 D146.2
  Bottom w0.25: v1(130.6,30.3) 132.11,30.3 TP23.1
Net-(D146-Pad1): length 28.8
  Top w0.25: v1(129.9,14.8) 129.36,14.26 D146.1 ; D147.2 146.39,30.2 143.8,30.2 134.3,20.7 v1(134.3,16.4)
  Bottom w0.25: v1(134.3,16.4) 134.3,15 TP31.1 130.04,14.94 v1(129.9,14.8)
Net-(D147-Pad1): length 17.3
  Top w0.25: D148.2 165.14,30.2 v1(163.7,30.2) ; v1(149.4,30.3) 149.35,30.25 D147.1
  Bottom w0.25: v1(149.4,30.3) 150.86,30.3 TP39.1 163.55,30.35 v1(163.7,30.2)
Net-(D148-Pad1): length 17
  Top w0.25: v1(182.3,30.3) 183.64,30.3 D149.2 ; D148.1 168.05,30.25 v1(168.1,30.3)
  Bottom w0.25: v1(182.3,30.3) 182.25,30.35 TP47.1 169.61,30.3 v1(168.1,30.3)
Net-(D149-Pad1): length 17.3
  Top w0.25: D149.1 186.35,30.25 v1(186.4,30.3) ; D150.2 202.39,30.3 v1(201.2,30.3)
  Bottom w0.25: v1(186.4,30.3) 188.11,30.3 TP55.1 201.15,30.35 v1(201.2,30.3)
Net-(D150-Pad1): length 17
  Top w0.25: D150.1 205.15,30.25 v1(205.2,30.3) ; D151.2 220.89,30.3 v1(219.6,30.3)
  Bottom w0.25: v1(205.2,30.3) 206.86,30.3 TP63.1 219.55,30.35 v1(219.6,30.3)
Net-(D151-Pad1): length 17
  Top w0.25: D152.2 239.39,30.3 v1(238,30.3) ; v1(223.8,30.3) 223.75,30.25 D151.1
  Bottom w0.25: v1(223.8,30.3) 225.36,30.3 TP71.1 237.95,30.35 v1(238,30.3)
Net-(D152-Pad1): length 19.3
  Top w0.25: D152.1 242.25,30.25 v1(242.3,30.3) ; D153.2 260.16,30.3 v1(259,30.3)
  Bottom w0.25: v1(242.3,30.3) 243.86,30.3 TP79.1 258.95,30.35 v1(259,30.3)
Net-(D153-Pad1): length 301.1
  Top w0.25: v1(58,97.25) 58.4,96.85 58.4,71.6 68.1,61.9 68.1,54.5 v1(72.35,50.25) ; U2.8 42.79,108.25 39,104.46 v1(39,99) ; D153.1 263.05,30.25 v1(263.1,30.3)
  Bottom w0.25: v1(72.35,50.25) 261.15,50.25 264.35,47.05 TP87.1 v1(263.1,30.3) ; v1(58,97.25) 56.25,99 v1(39,99)
Net-(D154-Pad1): length 23.9
  Top w0.25: D154.1 v1(16.9,12.5) ; D155.2 v1(38.3,12.5)
  Bottom w0.25: v1(16.9,12.5) TP16.1 v1(38.3,12.5)
Net-(D155-Pad1): length 31.9
  Top w0.25: D155.1 v1(42.3,12.5) ; v1(70.75,12.5) 73.04,12.5
  Bottom w0.25: v1(70.75,12.5) TP24.1 v1(42.3,12.5)
Net-(D156-Pad1): length 20.7
  Top w0.25: D156.1 v1(76.1,12.5) ; v1(94.1,12.5) D157.2
  Bottom w0.25: v1(94.1,12.5) 94.09,12.49 TP32.1 76.11,12.49 v1(76.1,12.5)
Net-(D157-Pad1): length 63.1
  Top w0.25: D158.2 v1(158.7,12.5) ; D157.1 v1(98.6,12.5)
  Bottom w0.25: v1(98.6,12.5) v1(158.7,12.5)
Net-(D158-Pad1): length 21.9
  Top w0.25: D158.1 v1(163,12.5) ; D159.2 v1(182.1,12.5)
  Bottom w0.25: v1(182.1,12.5) 182.07,12.53 TP48.1 164.66,12.5 v1(163,12.5)
Net-(D159-Pad1): length 16.9
  Top w0.25: D159.1 v1(186.5,12.5) ; v1(200.8,12.5) D160.2
  Bottom w0.25: v1(186.5,12.5) TP56.1 v1(200.8,12.5)
Net-(D160-Pad1): length 17.2
  Top w0.25: D160.1 v1(204.9,12.5) ; v1(219.5,12.5) 220.82,12.5
  Bottom w0.25: v1(219.5,12.5) TP64.1 v1(204.9,12.5)
Net-(D161-Pad1): length 17.5
  Top w0.25: D161.1 v1(223.6,12.5) ; v1(238.1,12.5) D162.2
  Bottom w0.25: v1(223.6,12.5) 224.5,12.5 ; 224.5,12.5 v1(238.1,12.5) ; 224.5,12.5 TP72.1
Net-(D162-Pad1): length 19.5
  Top w0.25: v1(259.1,12.5) D163.2 ; D162.1 242.1,12.5 v1(242.2,12.6)
  Bottom w0.25: v1(242.2,12.6) 243.6,12.6 TP80.1 v1(259.1,12.5)
Net-(D163-Pad1): length 318.2
  Top w0.25: v1(38.5,98) 38.1,98.4 38.1,104.35 42.5,108.75 U2.7 ; v1(57.6,90.75) 57.6,71.2 67.3,61.5 67.3,27.7 70,25 70,17 v1(71.5,15.5) ; v1(263.3,12.5) D163.1
  Bottom w0.25: v1(263.3,12.5) 262.05,11.25 TP88.1 73.75,11.25 72.25,12.75 72.25,14.75 v1(71.5,15.5) ; v1(57.6,90.75) 57.6,91.32 50.92,98 v1(38.5,98)
Net-(F1-Pad1): length 31.1
  Top w0.5: v2(218.75,109) 220,107.75 220,105.15 ; v1(206.4,109.5) 206.35,109.55 J4.A4 ; F1.1 201.45,106.35 v1(201.45,106.75) J4.A9
  Bottom w0.5: v1(201.45,106.75) 203.65,106.75 v1(206.4,109.5) 206.9,109 v2(218.75,109)
Net-(F1-Pad2): length 1.9
  Top w0.5: FB1.2 199.55,104.75 199.8,105
Net-(J1-Pad4): length 53
  Top w0.2: R13.1 207.15,108.36 J4.A1
  Top w0.25: R14.2 197.71,109.21 198.1,109.6 200.2,109.6 200.65,110.05 J4.A12
  Top w0.5: J4.S1 J4.S1 ; J4.S1 207.31,111.16 J4.A1 ; J4.S1 208.22,110.98 210.7,108.5 214,108.5 ; J4.S1 200.5,111.16 J4.A12
  Top w0.8: 214,105.15 214,108.5 215.9,110.4 219.55,110.4 221.25,108.7 223.89,108.7 R15.2
  Bottom w0.5: J4.S1 J4.S1
  Bottom w0.7: 208.34,116.29 199.46,116.29
Net-(J4-PadA5): length 3
  Top w0.2: R13.2 205.15,108.66 J4.A5
Net-(J4-PadB5): length 6.5
  Top w0.2: v1(202.5,108.1) 202.15,108.45 J4.B5
  Top w0.25: v1(200.4,108.3) R14.1
  Bottom w0.25: v1(202.5,108.1) 200.6,108.1 v1(200.4,108.3)
Net-(R4-Pad1): length 17.3
  Top w0.25: R4.1 v1(152,96.72)
  Bottom w0.25: U1.42 138.02,99.34 142.66,99.34 144.88,97.12 151.6,97.12 v1(152,96.72)
Net-(R7-Pad1): length 2.3
  Top w0.25: U2.11 46.54,106.75 R7.1
Net-(R8-Pad1): length 2.2
  Top w0.25: U2.2 50.5,110.96 R8.1
Net-(R10-Pad1): length 2.9
  Top w0.25: 48.25,111.21 48.94,111.21 50,110.15 U2.3
Net-(R11-Pad2): length 12.3
  Top w0.25: R12.1 R11.2 53.35,103.75 52.35,102.75 51.35,102.75 50,104.1 U2.16

## Copper pours and planes (outline as drawn; the poured copper is in the pictures)
GND on Top: 0.1,119.4 276.1,119.4 276,-0.5 0,-0.5
GND on Bottom: 0.1,119.4 276.1,119.4 276,-0.5 0,-0.5

## Text on the board
User.Drawings: 4x 1.25u / 2x 1.75u / 1x 2u (not backlit)
F.Silkscreen: RST | PRG | ICSP | UART | OLED | USB
